# Altium PCB Shuttler_AMC.PcbDoc (part 1 of 12) (continued)
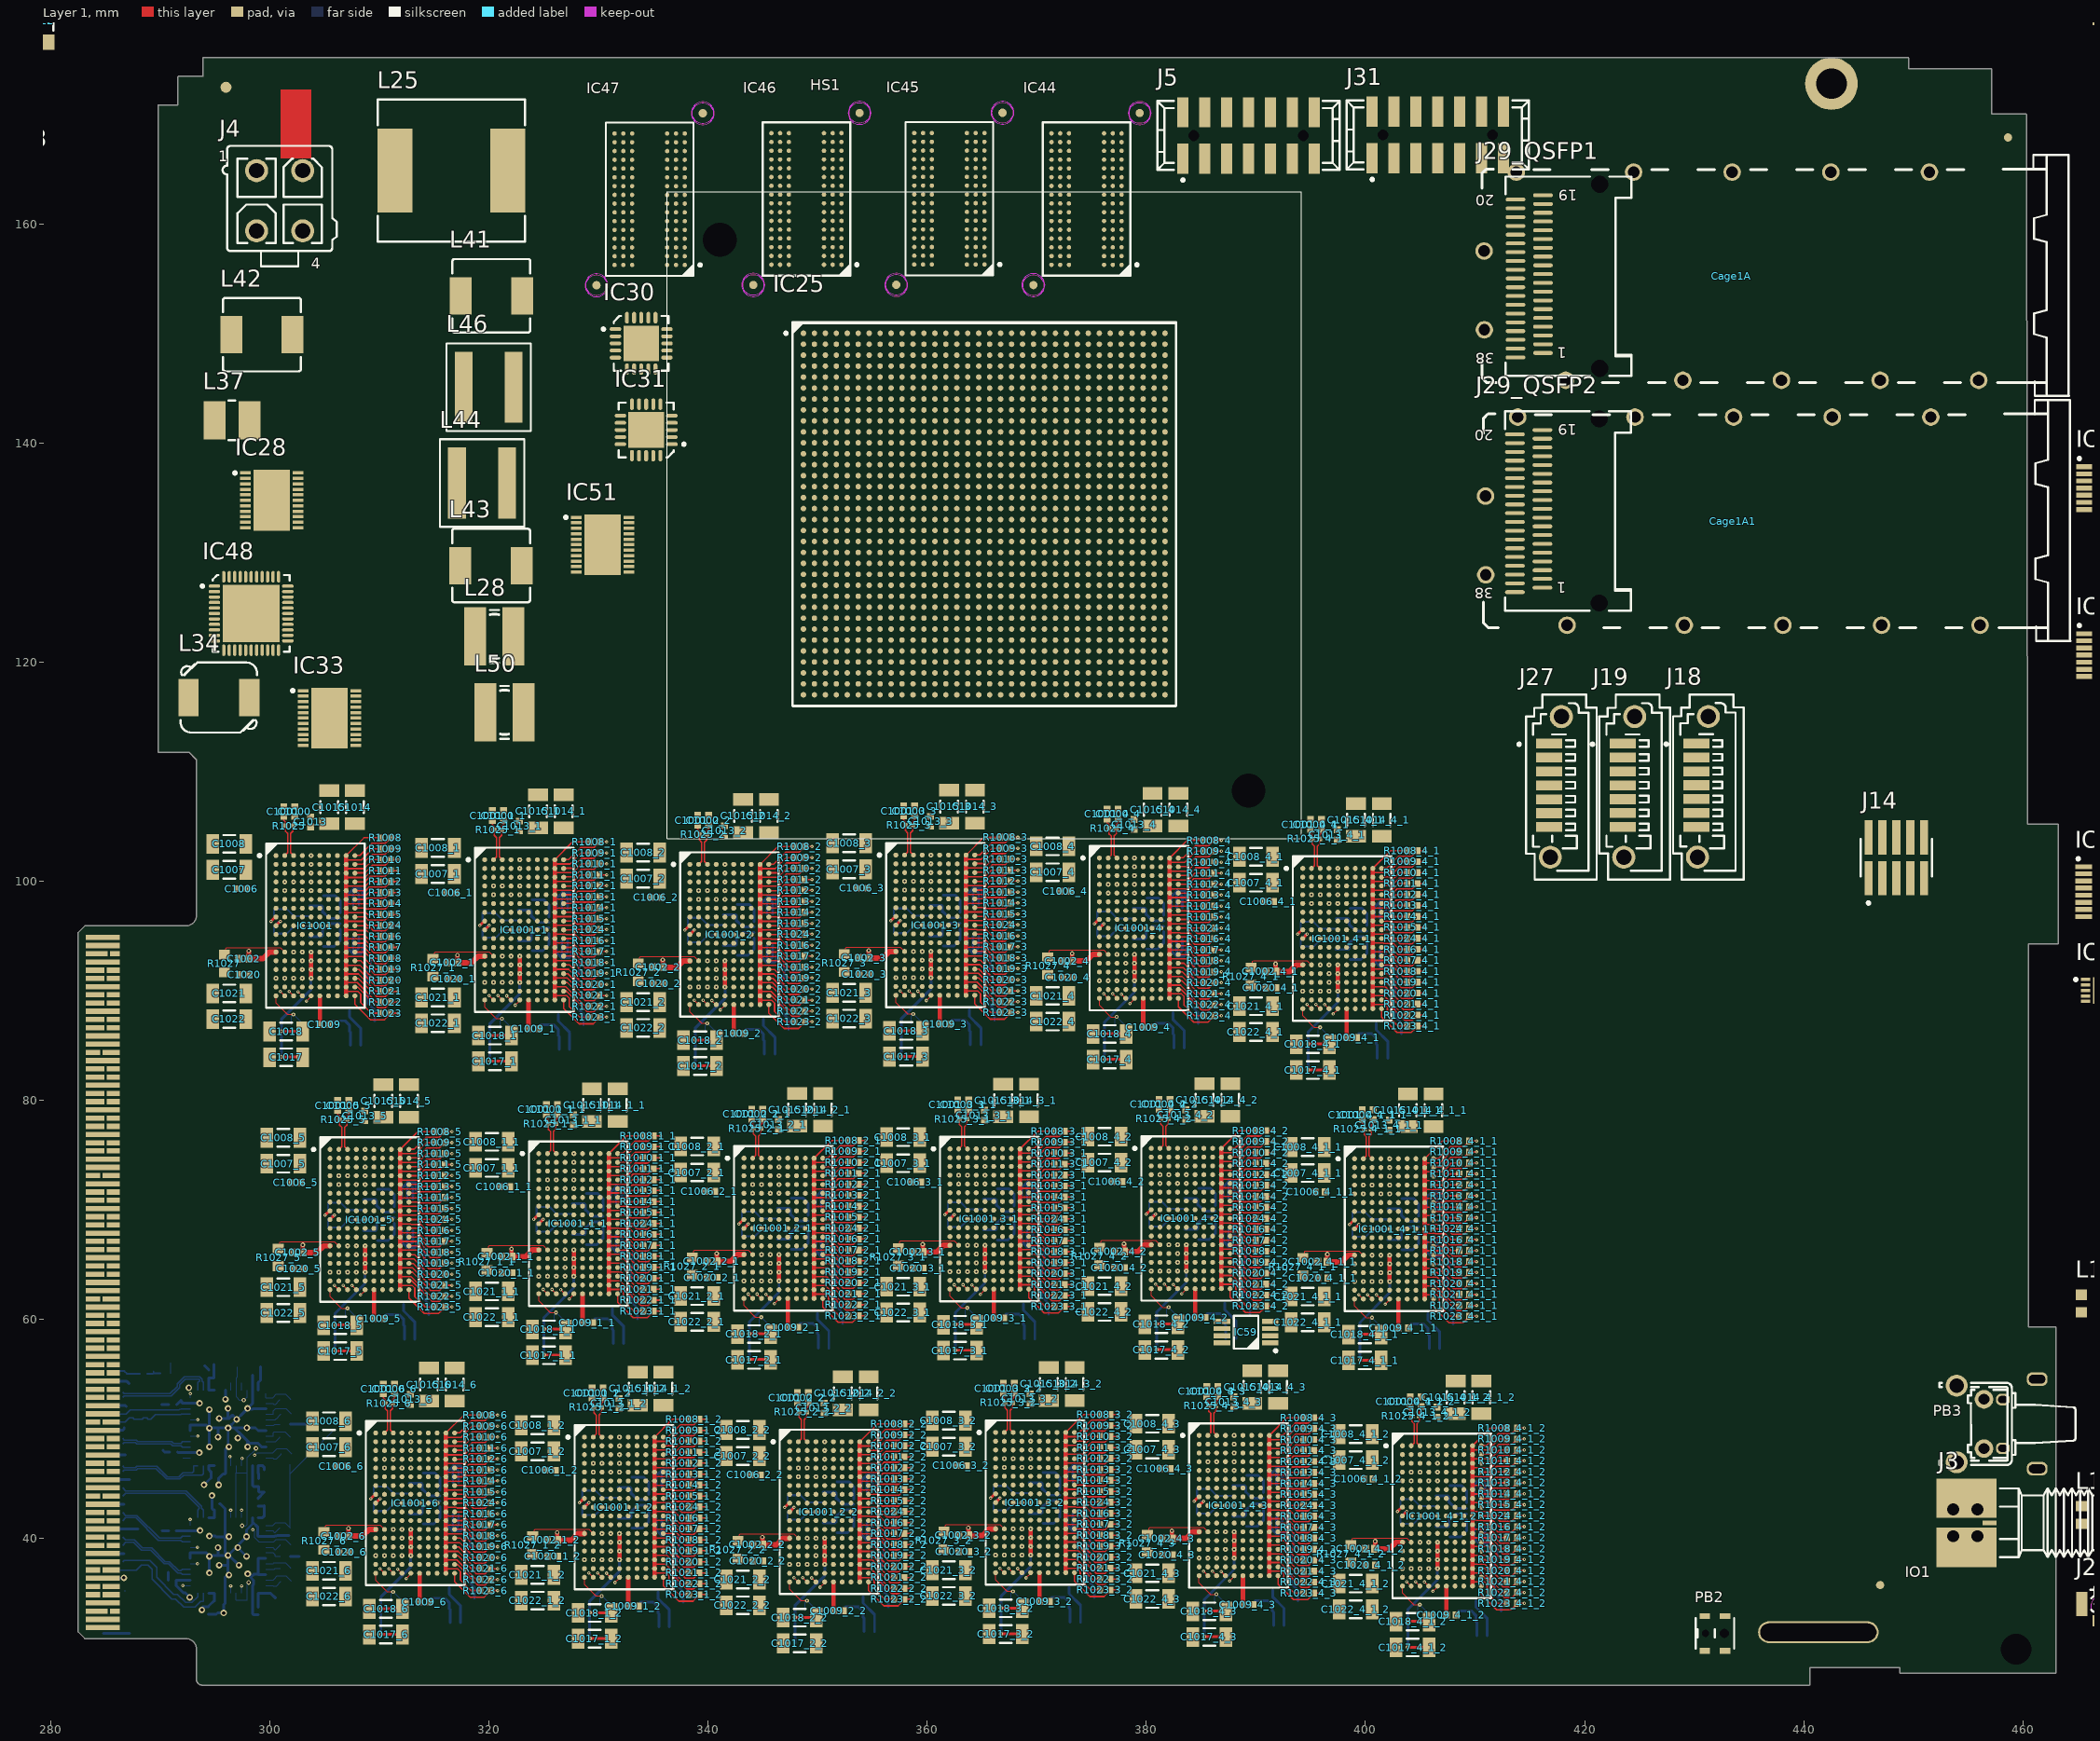
[diagram p0: Layer 1 view]
## Classes and differential pairs (continued)
net class SDRAM_DDR3_x64.DDR3_64_DM[0..7]: SDRAM_DDR3_x64.DDR3_64_DM0 SDRAM_DDR3_x64.DDR3_64_DM1 SDRAM_DDR3_x64.DDR3_64_DM2 SDRAM_DDR3_x64.DDR3_64_DM3 SDRAM_DDR3_x64.DDR3_64_DM4 SDRAM_DDR3_x64.DDR3_64_DM5 SDRAM_DDR3_x64.DDR3_64_DM6 SDRAM_DDR3_x64.DDR3_64_DM7
net class SDRAM_DDR3_x64.DDR3_64_BA[0..2]: SDRAM_DDR3_x64.DDR3_64_BA0 SDRAM_DDR3_x64.DDR3_64_BA1 SDRAM_DDR3_x64.DDR3_64_BA2
net class SDRAM_DDR3_x64.DDR3_64_A[0..14]: SDRAM_DDR3_x64.DDR3_64_A0 SDRAM_DDR3_x64.DDR3_64_A1 SDRAM_DDR3_x64.DDR3_64_A2 SDRAM_DDR3_x64.DDR3_64_A3 SDRAM_DDR3_x64.DDR3_64_A4 SDRAM_DDR3_x64.DDR3_64_A5 SDRAM_DDR3_x64.DDR3_64_A6 SDRAM_DDR3_x64.DDR3_64_A7 SDRAM_DDR3_x64.DDR3_64_A8 SDRAM_DDR3_x64.DDR3_64_A9 SDRAM_DDR3_x64.DDR3_64_A10 SDRAM_DDR3_x64.DDR3_64_A11 SDRAM_DDR3_x64.DDR3_64_A12 SDRAM_DDR3_x64.DDR3_64_A13 SDRAM_DDR3_x64.DDR3_64_A14
net class I2C_MUX_ADDR[2..1]: I2C_MUX_ADDR1 I2C_MUX_ADDR2
net class ETH2_RGMII.RGMII2_TXD[0..3]: ETH2_RGMII.RGMII2_TXD0 ETH2_RGMII.RGMII2_TXD1 ETH2_RGMII.RGMII2_TXD2 ETH2_RGMII.RGMII2_TXD3
net class ETH2_RGMII.RGMII2_RXD[0..3]: ETH2_RGMII.RGMII2_RXD0 ETH2_RGMII.RGMII2_RXD1 ETH2_RGMII.RGMII2_RXD2 ETH2_RGMII.RGMII2_RXD3
net class DAC_DATA_IN.DAC_DATA_CLK_[0..17]: DAC_DATA_IN.DAC_DATA_CLK_0 DAC_DATA_IN.DAC_DATA_CLK_1 DAC_DATA_IN.DAC_DATA_CLK_2 DAC_DATA_IN.DAC_DATA_CLK_3 DAC_DATA_IN.DAC_DATA_CLK_4 DAC_DATA_IN.DAC_DATA_CLK_5 DAC_DATA_IN.DAC_DATA_CLK_6 DAC_DATA_IN.DAC_DATA_CLK_7 DAC_DATA_IN.DAC_DATA_CLK_8 DAC_DATA_IN.DAC_DATA_CLK_9 DAC_DATA_IN.DAC_DATA_CLK_10 DAC_DATA_IN.DAC_DATA_CLK_11 DAC_DATA_IN.DAC_DATA_CLK_12 DAC_DATA_IN.DAC_DATA_CLK_13 DAC_DATA_IN.DAC_DATA_CLK_14 DAC_DATA_IN.DAC_DATA_CLK_15 DAC_DATA_IN.DAC_DATA_CLK_16 DAC_DATA_IN.DAC_DATA_CLK_17
net class DAC_DATA_IN.DAC_17_[0..15]: DAC_DATA_IN.DAC_17_0 DAC_DATA_IN.DAC_17_1 DAC_DATA_IN.DAC_17_2 DAC_DATA_IN.DAC_17_3 DAC_DATA_IN.DAC_17_4 DAC_DATA_IN.DAC_17_5 DAC_DATA_IN.DAC_17_6 DAC_DATA_IN.DAC_17_7 DAC_DATA_IN.DAC_17_8 DAC_DATA_IN.DAC_17_9 DAC_DATA_IN.DAC_17_10 DAC_DATA_IN.DAC_17_11 DAC_DATA_IN.DAC_17_12 DAC_DATA_IN.DAC_17_13 DAC_DATA_IN.DAC_17_14 DAC_DATA_IN.DAC_17_15
net class DAC_DATA_IN.DAC_16_[0..15]: DAC_DATA_IN.DAC_16_0 DAC_DATA_IN.DAC_16_1 DAC_DATA_IN.DAC_16_2 DAC_DATA_IN.DAC_16_3 DAC_DATA_IN.DAC_16_4 DAC_DATA_IN.DAC_16_5 DAC_DATA_IN.DAC_16_6 DAC_DATA_IN.DAC_16_7 DAC_DATA_IN.DAC_16_8 DAC_DATA_IN.DAC_16_9 DAC_DATA_IN.DAC_16_10 DAC_DATA_IN.DAC_16_11 DAC_DATA_IN.DAC_16_12 DAC_DATA_IN.DAC_16_13 DAC_DATA_IN.DAC_16_14 DAC_DATA_IN.DAC_16_15
net class DAC_DATA_IN.DAC_15_[0..15]: DAC_DATA_IN.DAC_15_0 DAC_DATA_IN.DAC_15_1 DAC_DATA_IN.DAC_15_2 DAC_DATA_IN.DAC_15_3 DAC_DATA_IN.DAC_15_4 DAC_DATA_IN.DAC_15_5 DAC_DATA_IN.DAC_15_6 DAC_DATA_IN.DAC_15_7 DAC_DATA_IN.DAC_15_8 DAC_DATA_IN.DAC_15_9 DAC_DATA_IN.DAC_15_10 DAC_DATA_IN.DAC_15_11 DAC_DATA_IN.DAC_15_12 DAC_DATA_IN.DAC_15_13 DAC_DATA_IN.DAC_15_14 DAC_DATA_IN.DAC_15_15
net class DAC_DATA_IN.DAC_14_[0..15]: DAC_DATA_IN.DAC_14_0 DAC_DATA_IN.DAC_14_1 DAC_DATA_IN.DAC_14_2 DAC_DATA_IN.DAC_14_3 DAC_DATA_IN.DAC_14_4 DAC_DATA_IN.DAC_14_5 DAC_DATA_IN.DAC_14_6 DAC_DATA_IN.DAC_14_7 DAC_DATA_IN.DAC_14_8 DAC_DATA_IN.DAC_14_9 DAC_DATA_IN.DAC_14_10 DAC_DATA_IN.DAC_14_11 DAC_DATA_IN.DAC_14_12 DAC_DATA_IN.DAC_14_13 DAC_DATA_IN.DAC_14_14 DAC_DATA_IN.DAC_14_15
net class DAC_DATA_IN.DAC_13_[0..15]: DAC_DATA_IN.DAC_13_0 DAC_DATA_IN.DAC_13_1 DAC_DATA_IN.DAC_13_2 DAC_DATA_IN.DAC_13_3 DAC_DATA_IN.DAC_13_4 DAC_DATA_IN.DAC_13_5 DAC_DATA_IN.DAC_13_6 DAC_DATA_IN.DAC_13_7 DAC_DATA_IN.DAC_13_8 DAC_DATA_IN.DAC_13_9 DAC_DATA_IN.DAC_13_10 DAC_DATA_IN.DAC_13_11 DAC_DATA_IN.DAC_13_12 DAC_DATA_IN.DAC_13_13 DAC_DATA_IN.DAC_13_14 DAC_DATA_IN.DAC_13_15
net class DAC_DATA_IN.DAC_12_[0..15]: DAC_DATA_IN.DAC_12_0 DAC_DATA_IN.DAC_12_1 DAC_DATA_IN.DAC_12_2 DAC_DATA_IN.DAC_12_3 DAC_DATA_IN.DAC_12_4 DAC_DATA_IN.DAC_12_5 DAC_DATA_IN.DAC_12_6 DAC_DATA_IN.DAC_12_7 DAC_DATA_IN.DAC_12_8 DAC_DATA_IN.DAC_12_9 DAC_DATA_IN.DAC_12_10 DAC_DATA_IN.DAC_12_11 DAC_DATA_IN.DAC_12_12 DAC_DATA_IN.DAC_12_13 DAC_DATA_IN.DAC_12_14 DAC_DATA_IN.DAC_12_15
net class DAC_DATA_IN.DAC_11_[0..15]: DAC_DATA_IN.DAC_11_0 DAC_DATA_IN.DAC_11_1 DAC_DATA_IN.DAC_11_2 DAC_DATA_IN.DAC_11_3 DAC_DATA_IN.DAC_11_4 DAC_DATA_IN.DAC_11_5 DAC_DATA_IN.DAC_11_6 DAC_DATA_IN.DAC_11_7 DAC_DATA_IN.DAC_11_8 DAC_DATA_IN.DAC_11_9 DAC_DATA_IN.DAC_11_10 DAC_DATA_IN.DAC_11_11 DAC_DATA_IN.DAC_11_12 DAC_DATA_IN.DAC_11_13 DAC_DATA_IN.DAC_11_14 DAC_DATA_IN.DAC_11_15
net class DAC_DATA_IN.DAC_10_[0..15]: DAC_DATA_IN.DAC_10_0 DAC_DATA_IN.DAC_10_1 DAC_DATA_IN.DAC_10_2 DAC_DATA_IN.DAC_10_3 DAC_DATA_IN.DAC_10_4 DAC_DATA_IN.DAC_10_5 DAC_DATA_IN.DAC_10_6 DAC_DATA_IN.DAC_10_7 DAC_DATA_IN.DAC_10_8 DAC_DATA_IN.DAC_10_9 DAC_DATA_IN.DAC_10_10 DAC_DATA_IN.DAC_10_11 DAC_DATA_IN.DAC_10_12 DAC_DATA_IN.DAC_10_13 DAC_DATA_IN.DAC_10_14 DAC_DATA_IN.DAC_10_15
net class DAC_DATA_IN.DAC_9_[0..15]: DAC_DATA_IN.DAC_9_0 DAC_DATA_IN.DAC_9_1 DAC_DATA_IN.DAC_9_2 DAC_DATA_IN.DAC_9_3 DAC_DATA_IN.DAC_9_4 DAC_DATA_IN.DAC_9_5 DAC_DATA_IN.DAC_9_6 DAC_DATA_IN.DAC_9_7 DAC_DATA_IN.DAC_9_8 DAC_DATA_IN.DAC_9_9 DAC_DATA_IN.DAC_9_10 DAC_DATA_IN.DAC_9_11 DAC_DATA_IN.DAC_9_12 DAC_DATA_IN.DAC_9_13 DAC_DATA_IN.DAC_9_14 DAC_DATA_IN.DAC_9_15
net class DAC_DATA_IN.DAC_8_[0..15]: DAC_DATA_IN.DAC_8_0 DAC_DATA_IN.DAC_8_1 DAC_DATA_IN.DAC_8_2 DAC_DATA_IN.DAC_8_3 DAC_DATA_IN.DAC_8_4 DAC_DATA_IN.DAC_8_5 DAC_DATA_IN.DAC_8_6 DAC_DATA_IN.DAC_8_7 DAC_DATA_IN.DAC_8_8 DAC_DATA_IN.DAC_8_9 DAC_DATA_IN.DAC_8_10 DAC_DATA_IN.DAC_8_11 DAC_DATA_IN.DAC_8_12 DAC_DATA_IN.DAC_8_13 DAC_DATA_IN.DAC_8_14 DAC_DATA_IN.DAC_8_15
net class DAC_DATA_IN.DAC_7_[0..15]: DAC_DATA_IN.DAC_7_0 DAC_DATA_IN.DAC_7_1 DAC_DATA_IN.DAC_7_2 DAC_DATA_IN.DAC_7_3 DAC_DATA_IN.DAC_7_4 DAC_DATA_IN.DAC_7_5 DAC_DATA_IN.DAC_7_6 DAC_DATA_IN.DAC_7_7 DAC_DATA_IN.DAC_7_8 DAC_DATA_IN.DAC_7_9 DAC_DATA_IN.DAC_7_10 DAC_DATA_IN.DAC_7_11 DAC_DATA_IN.DAC_7_12 DAC_DATA_IN.DAC_7_13 DAC_DATA_IN.DAC_7_14 DAC_DATA_IN.DAC_7_15
net class DAC_DATA_IN.DAC_6_[0..15]: DAC_DATA_IN.DAC_6_0 DAC_DATA_IN.DAC_6_1 DAC_DATA_IN.DAC_6_2 DAC_DATA_IN.DAC_6_3 DAC_DATA_IN.DAC_6_4 DAC_DATA_IN.DAC_6_5 DAC_DATA_IN.DAC_6_6 DAC_DATA_IN.DAC_6_7 DAC_DATA_IN.DAC_6_8 DAC_DATA_IN.DAC_6_9 DAC_DATA_IN.DAC_6_10 DAC_DATA_IN.DAC_6_11 DAC_DATA_IN.DAC_6_12 DAC_DATA_IN.DAC_6_13 DAC_DATA_IN.DAC_6_14 DAC_DATA_IN.DAC_6_15
net class DAC_DATA_IN.DAC_5_[0..15]: DAC_DATA_IN.DAC_5_0 DAC_DATA_IN.DAC_5_1 DAC_DATA_IN.DAC_5_2 DAC_DATA_IN.DAC_5_3 DAC_DATA_IN.DAC_5_4 DAC_DATA_IN.DAC_5_5 DAC_DATA_IN.DAC_5_6 DAC_DATA_IN.DAC_5_7 DAC_DATA_IN.DAC_5_8 DAC_DATA_IN.DAC_5_9 DAC_DATA_IN.DAC_5_10 DAC_DATA_IN.DAC_5_11 DAC_DATA_IN.DAC_5_12 DAC_DATA_IN.DAC_5_13 DAC_DATA_IN.DAC_5_14 DAC_DATA_IN.DAC_5_15
net class DAC_DATA_IN.DAC_4_[0..15]: DAC_DATA_IN.DAC_4_0 DAC_DATA_IN.DAC_4_1 DAC_DATA_IN.DAC_4_2 DAC_DATA_IN.DAC_4_3 DAC_DATA_IN.DAC_4_4 DAC_DATA_IN.DAC_4_5 DAC_DATA_IN.DAC_4_6 DAC_DATA_IN.DAC_4_7 DAC_DATA_IN.DAC_4_8 DAC_DATA_IN.DAC_4_9 DAC_DATA_IN.DAC_4_10 DAC_DATA_IN.DAC_4_11 DAC_DATA_IN.DAC_4_12 DAC_DATA_IN.DAC_4_13 DAC_DATA_IN.DAC_4_14 DAC_DATA_IN.DAC_4_15
net class DAC_DATA_IN.DAC_3_[0..15]: DAC_DATA_IN.DAC_3_0 DAC_DATA_IN.DAC_3_1 DAC_DATA_IN.DAC_3_2 DAC_DATA_IN.DAC_3_3 DAC_DATA_IN.DAC_3_4 DAC_DATA_IN.DAC_3_5 DAC_DATA_IN.DAC_3_6 DAC_DATA_IN.DAC_3_7 DAC_DATA_IN.DAC_3_8 DAC_DATA_IN.DAC_3_9 DAC_DATA_IN.DAC_3_10 DAC_DATA_IN.DAC_3_11 DAC_DATA_IN.DAC_3_12 DAC_DATA_IN.DAC_3_13 DAC_DATA_IN.DAC_3_14 DAC_DATA_IN.DAC_3_15
net class DAC_DATA_IN.DAC_2_[0..15]: DAC_DATA_IN.DAC_2_0 DAC_DATA_IN.DAC_2_1 DAC_DATA_IN.DAC_2_2 DAC_DATA_IN.DAC_2_3 DAC_DATA_IN.DAC_2_4 DAC_DATA_IN.DAC_2_5 DAC_DATA_IN.DAC_2_6 DAC_DATA_IN.DAC_2_7 DAC_DATA_IN.DAC_2_8 DAC_DATA_IN.DAC_2_9 DAC_DATA_IN.DAC_2_10 DAC_DATA_IN.DAC_2_11 DAC_DATA_IN.DAC_2_12 DAC_DATA_IN.DAC_2_13 DAC_DATA_IN.DAC_2_14 DAC_DATA_IN.DAC_2_15
net class DAC_DATA_IN.DAC_1_[0..15]: DAC_DATA_IN.DAC_1_0 DAC_DATA_IN.DAC_1_1 DAC_DATA_IN.DAC_1_2 DAC_DATA_IN.DAC_1_3 DAC_DATA_IN.DAC_1_4 DAC_DATA_IN.DAC_1_5 DAC_DATA_IN.DAC_1_6 DAC_DATA_IN.DAC_1_7 DAC_DATA_IN.DAC_1_8 DAC_DATA_IN.DAC_1_9 DAC_DATA_IN.DAC_1_10 DAC_DATA_IN.DAC_1_11 DAC_DATA_IN.DAC_1_12 DAC_DATA_IN.DAC_1_13 DAC_DATA_IN.DAC_1_14 DAC_DATA_IN.DAC_1_15
net class DAC_DATA_IN.DAC_0_[0..15]: DAC_DATA_IN.DAC_0_0 DAC_DATA_IN.DAC_0_1 DAC_DATA_IN.DAC_0_2 DAC_DATA_IN.DAC_0_3 DAC_DATA_IN.DAC_0_4 DAC_DATA_IN.DAC_0_5 DAC_DATA_IN.DAC_0_6 DAC_DATA_IN.DAC_0_7 DAC_DATA_IN.DAC_0_8 DAC_DATA_IN.DAC_0_9 DAC_DATA_IN.DAC_0_10 DAC_DATA_IN.DAC_0_11 DAC_DATA_IN.DAC_0_12 DAC_DATA_IN.DAC_0_13 DAC_DATA_IN.DAC_0_14 DAC_DATA_IN.DAC_0_15
net class BOOT_MODE[3..0]: BOOT_MODE0 BOOT_MODE1 BOOT_MODE2 BOOT_MODE3
net class AOUT_P[0..17]: AOUT_P0 AOUT_P1 AOUT_P2 AOUT_P3 AOUT_P4 AOUT_P5 AOUT_P6 AOUT_P7 AOUT_P8 AOUT_P9 AOUT_P10 AOUT_P11 AOUT_P12 AOUT_P13 AOUT_P14 AOUT_P15 AOUT_P16 AOUT_P17
net class AOUT_N[0..17]: AOUT_N0 AOUT_N1 AOUT_N2 AOUT_N3 AOUT_N4 AOUT_N5 AOUT_N6 AOUT_N7 AOUT_N8 AOUT_N9 AOUT_N10 AOUT_N11 AOUT_N12 AOUT_N13 AOUT_N14 AOUT_N15 AOUT_N16 AOUT_N17
component class USB_SERIAL_QUAD: C1 C2 C3 C4 C5 C6 C7 C8 C9 C10 C11 C12 C127 C278 C279 C280 C281 C283 C286 C287 C288 C297 C298 C299 C300 C305 D1 D3 IC1 IC2 IC15 IC49 IC50 J1 L1 L2 L3 L26 Q1 R3 R4 R5 R6 R7 R8 R9 R46 R103 R104 R277 R323 R324 R325 R326 R329 R330 R331 R332 R499 R509 R510 R531 R532 T23 T24 T28
component class U_DAC_LTC200018: C26_U_DAC_LTC200018 C28_U_DAC_LTC200018 C29_U_DAC_LTC200018 C30_U_DAC_LTC200018 C31_U_DAC_LTC200018 C32_U_DAC_LTC200018 C33_U_DAC_LTC200018 C34_U_DAC_LTC200018 C35_U_DAC_LTC200018 C36_U_DAC_LTC200018 C37_U_DAC_LTC200018 C38_U_DAC_LTC200018 C39_U_DAC_LTC200018 C40_U_DAC_LTC200018 C41_U_DAC_LTC200018 C42_U_DAC_LTC200018 C43_U_DAC_LTC200018 C44_U_DAC_LTC200018 C45_U_DAC_LTC200018 C46_U_DAC_LTC200018 C47_U_DAC_LTC200018 C48_U_DAC_LTC200018 R4_U_DAC_LTC200018 R5_U_DAC_LTC200018 R6_U_DAC_LTC200018 R7_U_DAC_LTC200018 R8_U_DAC_LTC200018 R9_U_DAC_LTC200018 R11_U_DAC_LTC200018 R12_U_DAC_LTC200018 R13_U_DAC_LTC200018 R14_U_DAC_LTC200018 R15_U_DAC_LTC200018 R16_U_DAC_LTC200018 R17_U_DAC_LTC200018 R18_U_DAC_LTC200018 R19_U_DAC_LTC200018 R20_U_DAC_LTC200018 R23_U_DAC_LTC200018 R143_U_DAC_LTC200018 R144_U_DAC_LTC200018 R145_U_DAC_LTC200018
component class U_DAC_LTC200017: C26_U_DAC_LTC200017 C28_U_DAC_LTC200017 C29_U_DAC_LTC200017 C30_U_DAC_LTC200017 C31_U_DAC_LTC200017 C32_U_DAC_LTC200017 C33_U_DAC_LTC200017 C34_U_DAC_LTC200017 C35_U_DAC_LTC200017 C36_U_DAC_LTC200017 C37_U_DAC_LTC200017 C38_U_DAC_LTC200017 C39_U_DAC_LTC200017 C40_U_DAC_LTC200017 C41_U_DAC_LTC200017 C42_U_DAC_LTC200017 C43_U_DAC_LTC200017 C44_U_DAC_LTC200017 C45_U_DAC_LTC200017 C46_U_DAC_LTC200017 C47_U_DAC_LTC200017 C48_U_DAC_LTC200017 R4_U_DAC_LTC200017 R5_U_DAC_LTC200017 R6_U_DAC_LTC200017 R7_U_DAC_LTC200017 R8_U_DAC_LTC200017 R9_U_DAC_LTC200017 R11_U_DAC_LTC200017 R12_U_DAC_LTC200017 R13_U_DAC_LTC200017 R14_U_DAC_LTC200017 R15_U_DAC_LTC200017 R16_U_DAC_LTC200017 R17_U_DAC_LTC200017 R18_U_DAC_LTC200017 R19_U_DAC_LTC200017 R20_U_DAC_LTC200017 R23_U_DAC_LTC200017 R143_U_DAC_LTC200017 R144_U_DAC_LTC200017 R145_U_DAC_LTC200017
component class U_DAC_LTC200016: C26_U_DAC_LTC200016 C28_U_DAC_LTC200016 C29_U_DAC_LTC200016 C30_U_DAC_LTC200016 C31_U_DAC_LTC200016 C32_U_DAC_LTC200016 C33_U_DAC_LTC200016 C34_U_DAC_LTC200016 C35_U_DAC_LTC200016 C36_U_DAC_LTC200016 C37_U_DAC_LTC200016 C38_U_DAC_LTC200016 C39_U_DAC_LTC200016 C40_U_DAC_LTC200016 C41_U_DAC_LTC200016 C42_U_DAC_LTC200016 C43_U_DAC_LTC200016 C44_U_DAC_LTC200016 C45_U_DAC_LTC200016 C46_U_DAC_LTC200016 C47_U_DAC_LTC200016 C48_U_DAC_LTC200016 R4_U_DAC_LTC200016 R5_U_DAC_LTC200016 R6_U_DAC_LTC200016 R7_U_DAC_LTC200016 R8_U_DAC_LTC200016 R9_U_DAC_LTC200016 R11_U_DAC_LTC200016 R12_U_DAC_LTC200016 R13_U_DAC_LTC200016 R14_U_DAC_LTC200016 R15_U_DAC_LTC200016 R16_U_DAC_LTC200016 R17_U_DAC_LTC200016 R18_U_DAC_LTC200016 R19_U_DAC_LTC200016 R20_U_DAC_LTC200016 R23_U_DAC_LTC200016 R143_U_DAC_LTC200016 R144_U_DAC_LTC200016 R145_U_DAC_LTC200016
component class U_DAC_LTC200015: C26_U_DAC_LTC200015 C28_U_DAC_LTC200015 C29_U_DAC_LTC200015 C30_U_DAC_LTC200015 C31_U_DAC_LTC200015 C32_U_DAC_LTC200015 C33_U_DAC_LTC200015 C34_U_DAC_LTC200015 C35_U_DAC_LTC200015 C36_U_DAC_LTC200015 C37_U_DAC_LTC200015 C38_U_DAC_LTC200015 C39_U_DAC_LTC200015 C40_U_DAC_LTC200015 C41_U_DAC_LTC200015 C42_U_DAC_LTC200015 C43_U_DAC_LTC200015 C44_U_DAC_LTC200015 C45_U_DAC_LTC200015 C46_U_DAC_LTC200015 C47_U_DAC_LTC200015 C48_U_DAC_LTC200015 R4_U_DAC_LTC200015 R5_U_DAC_LTC200015 R6_U_DAC_LTC200015 R7_U_DAC_LTC200015 R8_U_DAC_LTC200015 R9_U_DAC_LTC200015 R11_U_DAC_LTC200015 R12_U_DAC_LTC200015 R13_U_DAC_LTC200015 R14_U_DAC_LTC200015 R15_U_DAC_LTC200015 R16_U_DAC_LTC200015 R17_U_DAC_LTC200015 R18_U_DAC_LTC200015 R19_U_DAC_LTC200015 R20_U_DAC_LTC200015 R23_U_DAC_LTC200015 R143_U_DAC_LTC200015 R144_U_DAC_LTC200015 R145_U_DAC_LTC200015
component class U_DAC_LTC200014: C26_U_DAC_LTC200014 C28_U_DAC_LTC200014 C29_U_DAC_LTC200014 C30_U_DAC_LTC200014 C31_U_DAC_LTC200014 C32_U_DAC_LTC200014 C33_U_DAC_LTC200014 C34_U_DAC_LTC200014 C35_U_DAC_LTC200014 C36_U_DAC_LTC200014 C37_U_DAC_LTC200014 C38_U_DAC_LTC200014 C39_U_DAC_LTC200014 C40_U_DAC_LTC200014 C41_U_DAC_LTC200014 C42_U_DAC_LTC200014 C43_U_DAC_LTC200014 C44_U_DAC_LTC200014 C45_U_DAC_LTC200014 C46_U_DAC_LTC200014 C47_U_DAC_LTC200014 C48_U_DAC_LTC200014 R4_U_DAC_LTC200014 R5_U_DAC_LTC200014 R6_U_DAC_LTC200014 R7_U_DAC_LTC200014 R8_U_DAC_LTC200014 R9_U_DAC_LTC200014 R11_U_DAC_LTC200014 R12_U_DAC_LTC200014 R13_U_DAC_LTC200014 R14_U_DAC_LTC200014 R15_U_DAC_LTC200014 R16_U_DAC_LTC200014 R17_U_DAC_LTC200014 R18_U_DAC_LTC200014 R19_U_DAC_LTC200014 R20_U_DAC_LTC200014 R23_U_DAC_LTC200014 R143_U_DAC_LTC200014 R144_U_DAC_LTC200014 R145_U_DAC_LTC200014
component class U_DAC_LTC200013: C26_U_DAC_LTC200013 C28_U_DAC_LTC200013 C29_U_DAC_LTC200013 C30_U_DAC_LTC200013 C31_U_DAC_LTC200013 C32_U_DAC_LTC200013 C33_U_DAC_LTC200013 C34_U_DAC_LTC200013 C35_U_DAC_LTC200013 C36_U_DAC_LTC200013 C37_U_DAC_LTC200013 C38_U_DAC_LTC200013 C39_U_DAC_LTC200013 C40_U_DAC_LTC200013 C41_U_DAC_LTC200013 C42_U_DAC_LTC200013 C43_U_DAC_LTC200013 C44_U_DAC_LTC200013 C45_U_DAC_LTC200013 C46_U_DAC_LTC200013 C47_U_DAC_LTC200013 C48_U_DAC_LTC200013 R4_U_DAC_LTC200013 R5_U_DAC_LTC200013 R6_U_DAC_LTC200013 R7_U_DAC_LTC200013 R8_U_DAC_LTC200013 R9_U_DAC_LTC200013 R11_U_DAC_LTC200013 R12_U_DAC_LTC200013 R13_U_DAC_LTC200013 R14_U_DAC_LTC200013 R15_U_DAC_LTC200013 R16_U_DAC_LTC200013 R17_U_DAC_LTC200013 R18_U_DAC_LTC200013 R19_U_DAC_LTC200013 R20_U_DAC_LTC200013 R23_U_DAC_LTC200013 R143_U_DAC_LTC200013 R144_U_DAC_LTC200013 R145_U_DAC_LTC200013
component class U_DAC_LTC200012: C26_U_DAC_LTC200012 C28_U_DAC_LTC200012 C29_U_DAC_LTC200012 C30_U_DAC_LTC200012 C31_U_DAC_LTC200012 C32_U_DAC_LTC200012 C33_U_DAC_LTC200012 C34_U_DAC_LTC200012 C35_U_DAC_LTC200012 C36_U_DAC_LTC200012 C37_U_DAC_LTC200012 C38_U_DAC_LTC200012 C39_U_DAC_LTC200012 C40_U_DAC_LTC200012 C41_U_DAC_LTC200012 C42_U_DAC_LTC200012 C43_U_DAC_LTC200012 C44_U_DAC_LTC200012 C45_U_DAC_LTC200012 C46_U_DAC_LTC200012 C47_U_DAC_LTC200012 C48_U_DAC_LTC200012 R4_U_DAC_LTC200012 R5_U_DAC_LTC200012 R6_U_DAC_LTC200012 R7_U_DAC_LTC200012 R8_U_DAC_LTC200012 R9_U_DAC_LTC200012 R11_U_DAC_LTC200012 R12_U_DAC_LTC200012 R13_U_DAC_LTC200012 R14_U_DAC_LTC200012 R15_U_DAC_LTC200012 R16_U_DAC_LTC200012 R17_U_DAC_LTC200012 R18_U_DAC_LTC200012 R19_U_DAC_LTC200012 R20_U_DAC_LTC200012 R23_U_DAC_LTC200012 R143_U_DAC_LTC200012 R144_U_DAC_LTC200012 R145_U_DAC_LTC200012
component class U_DAC_LTC200011: C26_U_DAC_LTC200011 C28_U_DAC_LTC200011 C29_U_DAC_LTC200011 C30_U_DAC_LTC200011 C31_U_DAC_LTC200011 C32_U_DAC_LTC200011 C33_U_DAC_LTC200011 C34_U_DAC_LTC200011 C35_U_DAC_LTC200011 C36_U_DAC_LTC200011 C37_U_DAC_LTC200011 C38_U_DAC_LTC200011 C39_U_DAC_LTC200011 C40_U_DAC_LTC200011 C41_U_DAC_LTC200011 C42_U_DAC_LTC200011 C43_U_DAC_LTC200011 C44_U_DAC_LTC200011 C45_U_DAC_LTC200011 C46_U_DAC_LTC200011 C47_U_DAC_LTC200011 C48_U_DAC_LTC200011 R4_U_DAC_LTC200011 R5_U_DAC_LTC200011 R6_U_DAC_LTC200011 R7_U_DAC_LTC200011 R8_U_DAC_LTC200011 R9_U_DAC_LTC200011 R11_U_DAC_LTC200011 R12_U_DAC_LTC200011 R13_U_DAC_LTC200011 R14_U_DAC_LTC200011 R15_U_DAC_LTC200011 R16_U_DAC_LTC200011 R17_U_DAC_LTC200011 R18_U_DAC_LTC200011 R19_U_DAC_LTC200011 R20_U_DAC_LTC200011 R23_U_DAC_LTC200011 R143_U_DAC_LTC200011 R144_U_DAC_LTC200011 R145_U_DAC_LTC200011
component class U_DAC_LTC200010: C26_U_DAC_LTC200010 C28_U_DAC_LTC200010 C29_U_DAC_LTC200010 C30_U_DAC_LTC200010 C31_U_DAC_LTC200010 C32_U_DAC_LTC200010 C33_U_DAC_LTC200010 C34_U_DAC_LTC200010 C35_U_DAC_LTC200010 C36_U_DAC_LTC200010 C37_U_DAC_LTC200010 C38_U_DAC_LTC200010 C39_U_DAC_LTC200010 C40_U_DAC_LTC200010 C41_U_DAC_LTC200010 C42_U_DAC_LTC200010 C43_U_DAC_LTC200010 C44_U_DAC_LTC200010 C45_U_DAC_LTC200010 C46_U_DAC_LTC200010 C47_U_DAC_LTC200010 C48_U_DAC_LTC200010 R4_U_DAC_LTC200010 R5_U_DAC_LTC200010 R6_U_DAC_LTC200010 R7_U_DAC_LTC200010 R8_U_DAC_LTC200010 R9_U_DAC_LTC200010 R11_U_DAC_LTC200010 R12_U_DAC_LTC200010 R13_U_DAC_LTC200010 R14_U_DAC_LTC200010 R15_U_DAC_LTC200010 R16_U_DAC_LTC200010 R17_U_DAC_LTC200010 R18_U_DAC_LTC200010 R19_U_DAC_LTC200010 R20_U_DAC_LTC200010 R23_U_DAC_LTC200010 R143_U_DAC_LTC200010 R144_U_DAC_LTC200010 R145_U_DAC_LTC200010
component class U_DAC_LTC20009: C26_U_DAC_LTC20009 C28_U_DAC_LTC20009 C29_U_DAC_LTC20009 C30_U_DAC_LTC20009 C31_U_DAC_LTC20009 C32_U_DAC_LTC20009 C33_U_DAC_LTC20009 C34_U_DAC_LTC20009 C35_U_DAC_LTC20009 C36_U_DAC_LTC20009 C37_U_DAC_LTC20009 C38_U_DAC_LTC20009 C39_U_DAC_LTC20009 C40_U_DAC_LTC20009 C41_U_DAC_LTC20009 C42_U_DAC_LTC20009 C43_U_DAC_LTC20009 C44_U_DAC_LTC20009 C45_U_DAC_LTC20009 C46_U_DAC_LTC20009 C47_U_DAC_LTC20009 C48_U_DAC_LTC20009 R4_U_DAC_LTC20009 R5_U_DAC_LTC20009 R6_U_DAC_LTC20009 R7_U_DAC_LTC20009 R8_U_DAC_LTC20009 R9_U_DAC_LTC20009 R11_U_DAC_LTC20009 R12_U_DAC_LTC20009 R13_U_DAC_LTC20009 R14_U_DAC_LTC20009 R15_U_DAC_LTC20009 R16_U_DAC_LTC20009 R17_U_DAC_LTC20009 R18_U_DAC_LTC20009 R19_U_DAC_LTC20009 R20_U_DAC_LTC20009 R23_U_DAC_LTC20009 R143_U_DAC_LTC20009 R144_U_DAC_LTC20009 R145_U_DAC_LTC20009
component class U_DAC_LTC20008: C26_U_DAC_LTC20008 C28_U_DAC_LTC20008 C29_U_DAC_LTC20008 C30_U_DAC_LTC20008 C31_U_DAC_LTC20008 C32_U_DAC_LTC20008 C33_U_DAC_LTC20008 C34_U_DAC_LTC20008 C35_U_DAC_LTC20008 C36_U_DAC_LTC20008 C37_U_DAC_LTC20008 C38_U_DAC_LTC20008 C39_U_DAC_LTC20008 C40_U_DAC_LTC20008 C41_U_DAC_LTC20008 C42_U_DAC_LTC20008 C43_U_DAC_LTC20008 C44_U_DAC_LTC20008 C45_U_DAC_LTC20008 C46_U_DAC_LTC20008 C47_U_DAC_LTC20008 C48_U_DAC_LTC20008 R4_U_DAC_LTC20008 R5_U_DAC_LTC20008 R6_U_DAC_LTC20008 R7_U_DAC_LTC20008 R8_U_DAC_LTC20008 R9_U_DAC_LTC20008 R11_U_DAC_LTC20008 R12_U_DAC_LTC20008 R13_U_DAC_LTC20008 R14_U_DAC_LTC20008 R15_U_DAC_LTC20008 R16_U_DAC_LTC20008 R17_U_DAC_LTC20008 R18_U_DAC_LTC20008 R19_U_DAC_LTC20008 R20_U_DAC_LTC20008 R23_U_DAC_LTC20008 R143_U_DAC_LTC20008 R144_U_DAC_LTC20008 R145_U_DAC_LTC20008
component class U_DAC_LTC20007: C26_U_DAC_LTC20007 C28_U_DAC_LTC20007 C29_U_DAC_LTC20007 C30_U_DAC_LTC20007 C31_U_DAC_LTC20007 C32_U_DAC_LTC20007 C33_U_DAC_LTC20007 C34_U_DAC_LTC20007 C35_U_DAC_LTC20007 C36_U_DAC_LTC20007 C37_U_DAC_LTC20007 C38_U_DAC_LTC20007 C39_U_DAC_LTC20007 C40_U_DAC_LTC20007 C41_U_DAC_LTC20007 C42_U_DAC_LTC20007 C43_U_DAC_LTC20007 C44_U_DAC_LTC20007 C45_U_DAC_LTC20007 C46_U_DAC_LTC20007 C47_U_DAC_LTC20007 C48_U_DAC_LTC20007 R4_U_DAC_LTC20007 R5_U_DAC_LTC20007 R6_U_DAC_LTC20007 R7_U_DAC_LTC20007 R8_U_DAC_LTC20007 R9_U_DAC_LTC20007 R11_U_DAC_LTC20007 R12_U_DAC_LTC20007 R13_U_DAC_LTC20007 R14_U_DAC_LTC20007 R15_U_DAC_LTC20007 R16_U_DAC_LTC20007 R17_U_DAC_LTC20007 R18_U_DAC_LTC20007 R19_U_DAC_LTC20007 R20_U_DAC_LTC20007 R23_U_DAC_LTC20007 R143_U_DAC_LTC20007 R144_U_DAC_LTC20007 R145_U_DAC_LTC20007
component class U_DAC_LTC20006: C26_U_DAC_LTC20006 C28_U_DAC_LTC20006 C29_U_DAC_LTC20006 C30_U_DAC_LTC20006 C31_U_DAC_LTC20006 C32_U_DAC_LTC20006 C33_U_DAC_LTC20006 C34_U_DAC_LTC20006 C35_U_DAC_LTC20006 C36_U_DAC_LTC20006 C37_U_DAC_LTC20006 C38_U_DAC_LTC20006 C39_U_DAC_LTC20006 C40_U_DAC_LTC20006 C41_U_DAC_LTC20006 C42_U_DAC_LTC20006 C43_U_DAC_LTC20006 C44_U_DAC_LTC20006 C45_U_DAC_LTC20006 C46_U_DAC_LTC20006 C47_U_DAC_LTC20006 C48_U_DAC_LTC20006 R4_U_DAC_LTC20006 R5_U_DAC_LTC20006 R6_U_DAC_LTC20006 R7_U_DAC_LTC20006 R8_U_DAC_LTC20006 R9_U_DAC_LTC20006 R11_U_DAC_LTC20006 R12_U_DAC_LTC20006 R13_U_DAC_LTC20006 R14_U_DAC_LTC20006 R15_U_DAC_LTC20006 R16_U_DAC_LTC20006 R17_U_DAC_LTC20006 R18_U_DAC_LTC20006 R19_U_DAC_LTC20006 R20_U_DAC_LTC20006 R23_U_DAC_LTC20006 R143_U_DAC_LTC20006 R144_U_DAC_LTC20006 R145_U_DAC_LTC20006
component class U_DAC_LTC20005: C26_U_DAC_LTC20005 C28_U_DAC_LTC20005 C29_U_DAC_LTC20005 C30_U_DAC_LTC20005 C31_U_DAC_LTC20005 C32_U_DAC_LTC20005 C33_U_DAC_LTC20005 C34_U_DAC_LTC20005 C35_U_DAC_LTC20005 C36_U_DAC_LTC20005 C37_U_DAC_LTC20005 C38_U_DAC_LTC20005 C39_U_DAC_LTC20005 C40_U_DAC_LTC20005 C41_U_DAC_LTC20005 C42_U_DAC_LTC20005 C43_U_DAC_LTC20005 C44_U_DAC_LTC20005 C45_U_DAC_LTC20005 C46_U_DAC_LTC20005 C47_U_DAC_LTC20005 C48_U_DAC_LTC20005 R4_U_DAC_LTC20005 R5_U_DAC_LTC20005 R6_U_DAC_LTC20005 R7_U_DAC_LTC20005 R8_U_DAC_LTC20005 R9_U_DAC_LTC20005 R11_U_DAC_LTC20005 R12_U_DAC_LTC20005 R13_U_DAC_LTC20005 R14_U_DAC_LTC20005 R15_U_DAC_LTC20005 R16_U_DAC_LTC20005 R17_U_DAC_LTC20005 R18_U_DAC_LTC20005 R19_U_DAC_LTC20005 R20_U_DAC_LTC20005 R23_U_DAC_LTC20005 R143_U_DAC_LTC20005 R144_U_DAC_LTC20005 R145_U_DAC_LTC20005
component class U_DAC_LTC20004: C26_U_DAC_LTC20004 C28_U_DAC_LTC20004 C29_U_DAC_LTC20004 C30_U_DAC_LTC20004 C31_U_DAC_LTC20004 C32_U_DAC_LTC20004 C33_U_DAC_LTC20004 C34_U_DAC_LTC20004 C35_U_DAC_LTC20004 C36_U_DAC_LTC20004 C37_U_DAC_LTC20004 C38_U_DAC_LTC20004 C39_U_DAC_LTC20004 C40_U_DAC_LTC20004 C41_U_DAC_LTC20004 C42_U_DAC_LTC20004 C43_U_DAC_LTC20004 C44_U_DAC_LTC20004 C45_U_DAC_LTC20004 C46_U_DAC_LTC20004 C47_U_DAC_LTC20004 C48_U_DAC_LTC20004 R4_U_DAC_LTC20004 R5_U_DAC_LTC20004 R6_U_DAC_LTC20004 R7_U_DAC_LTC20004 R8_U_DAC_LTC20004 R9_U_DAC_LTC20004 R11_U_DAC_LTC20004 R12_U_DAC_LTC20004 R13_U_DAC_LTC20004 R14_U_DAC_LTC20004 R15_U_DAC_LTC20004 R16_U_DAC_LTC20004 R17_U_DAC_LTC20004 R18_U_DAC_LTC20004 R19_U_DAC_LTC20004 R20_U_DAC_LTC20004 R23_U_DAC_LTC20004 R143_U_DAC_LTC20004 R144_U_DAC_LTC20004 R145_U_DAC_LTC20004
component class U_DAC_LTC20003: C26_U_DAC_LTC20003 C28_U_DAC_LTC20003 C29_U_DAC_LTC20003 C30_U_DAC_LTC20003 C31_U_DAC_LTC20003 C32_U_DAC_LTC20003 C33_U_DAC_LTC20003 C34_U_DAC_LTC20003 C35_U_DAC_LTC20003 C36_U_DAC_LTC20003 C37_U_DAC_LTC20003 C38_U_DAC_LTC20003 C39_U_DAC_LTC20003 C40_U_DAC_LTC20003 C41_U_DAC_LTC20003 C42_U_DAC_LTC20003 C43_U_DAC_LTC20003 C44_U_DAC_LTC20003 C45_U_DAC_LTC20003 C46_U_DAC_LTC20003 C47_U_DAC_LTC20003 C48_U_DAC_LTC20003 R4_U_DAC_LTC20003 R5_U_DAC_LTC20003 R6_U_DAC_LTC20003 R7_U_DAC_LTC20003 R8_U_DAC_LTC20003 R9_U_DAC_LTC20003 R11_U_DAC_LTC20003 R12_U_DAC_LTC20003 R13_U_DAC_LTC20003 R14_U_DAC_LTC20003 R15_U_DAC_LTC20003 R16_U_DAC_LTC20003 R17_U_DAC_LTC20003 R18_U_DAC_LTC20003 R19_U_DAC_LTC20003 R20_U_DAC_LTC20003 R23_U_DAC_LTC20003 R143_U_DAC_LTC20003 R144_U_DAC_LTC20003 R145_U_DAC_LTC20003
component class U_DAC_LTC20002: C26_U_DAC_LTC20002 C28_U_DAC_LTC20002 C29_U_DAC_LTC20002 C30_U_DAC_LTC20002 C31_U_DAC_LTC20002 C32_U_DAC_LTC20002 C33_U_DAC_LTC20002 C34_U_DAC_LTC20002 C35_U_DAC_LTC20002 C36_U_DAC_LTC20002 C37_U_DAC_LTC20002 C38_U_DAC_LTC20002 C39_U_DAC_LTC20002 C40_U_DAC_LTC20002 C41_U_DAC_LTC20002 C42_U_DAC_LTC20002 C43_U_DAC_LTC20002 C44_U_DAC_LTC20002 C45_U_DAC_LTC20002 C46_U_DAC_LTC20002 C47_U_DAC_LTC20002 C48_U_DAC_LTC20002 R4_U_DAC_LTC20002 R5_U_DAC_LTC20002 R6_U_DAC_LTC20002 R7_U_DAC_LTC20002 R8_U_DAC_LTC20002 R9_U_DAC_LTC20002 R11_U_DAC_LTC20002 R12_U_DAC_LTC20002 R13_U_DAC_LTC20002 R14_U_DAC_LTC20002 R15_U_DAC_LTC20002 R16_U_DAC_LTC20002 R17_U_DAC_LTC20002 R18_U_DAC_LTC20002 R19_U_DAC_LTC20002 R20_U_DAC_LTC20002 R23_U_DAC_LTC20002 R143_U_DAC_LTC20002 R144_U_DAC_LTC20002 R145_U_DAC_LTC20002
component class U_DAC_LTC20001: C26_U_DAC_LTC20001 C28_U_DAC_LTC20001 C29_U_DAC_LTC20001 C30_U_DAC_LTC20001 C31_U_DAC_LTC20001 C32_U_DAC_LTC20001 C33_U_DAC_LTC20001 C34_U_DAC_LTC20001 C35_U_DAC_LTC20001 C36_U_DAC_LTC20001 C37_U_DAC_LTC20001 C38_U_DAC_LTC20001 C39_U_DAC_LTC20001 C40_U_DAC_LTC20001 C41_U_DAC_LTC20001 C42_U_DAC_LTC20001 C43_U_DAC_LTC20001 C44_U_DAC_LTC20001 C45_U_DAC_LTC20001 C46_U_DAC_LTC20001 C47_U_DAC_LTC20001 C48_U_DAC_LTC20001 R4_U_DAC_LTC20001 R5_U_DAC_LTC20001 R6_U_DAC_LTC20001 R7_U_DAC_LTC20001 R8_U_DAC_LTC20001 R9_U_DAC_LTC20001 R11_U_DAC_LTC20001 R12_U_DAC_LTC20001 R13_U_DAC_LTC20001 R14_U_DAC_LTC20001 R15_U_DAC_LTC20001 R16_U_DAC_LTC20001 R17_U_DAC_LTC20001 R18_U_DAC_LTC20001 R19_U_DAC_LTC20001 R20_U_DAC_LTC20001 R23_U_DAC_LTC20001 R143_U_DAC_LTC20001 R144_U_DAC_LTC20001 R145_U_DAC_LTC20001
component class Thermometers: C26 C84 C85 C86 C87 C683 C684 IC8 IC34 IC35 IC36 IC37 IC39 R255 R256
component class Shuttler_AMC: C277 C707 IC14 IC53 PB2 PB3 R1 R2 R21 R341 R539 R540
component class SDRAM_DDR3_4x16: C39 C40 C41 C42 C43 C44 C45 C46 C47 C48 C49 C50 C51 C52 C53 C54 C55 C56 C57 C58 C59 C60 C61 C62 C63 C64 C65 C66 C67 C68 C69 C70 C71 C72 C73 C74 C75 C76 C77 C78 C79 C80 C81 C82 C83 C96 C97 C98 C99 C100 C101 C102 C103 C104 C105 C106 C107 C108 C109 C110 C111 C112 C113 C114 C115 C116 C117 C118 C119 C309 C310 C311 C312 C313 C314 C315 C316 C317 C319 C320 C321 C322 C495 C496 IC18 R70 R71 R72 R73 R74 R75 R76 R77 R78 R79 R80 R81 R82 R83 R84 R85 R86 R87 R88 R89 R90 R91 R92 R93 R94 R95 R96 R97 R98 R99 R100 R101 R102 R265
component class QSFP2: C564_QSFP2 C565_QSFP2 C566_QSFP2 C567_QSFP2 C568_QSFP2 C569_QSFP2 C570_QSFP2 C571_QSFP2 C572_QSFP2 C573_QSFP2 C574_QSFP2 C575_QSFP2 IC55_QSFP2 J29_QSFP2 L51_QSFP2 L52_QSFP2 L53_QSFP2 LD3_QSFP2 LD6_QSFP2 R213_QSFP2 R221_QSFP2 R228_QSFP2 R266_QSFP2 R267_QSFP2 R268_QSFP2 R269_QSFP2 TP20_QSFP2 TP21_QSFP2
component class QSFP1: C564_QSFP1 C565_QSFP1 C566_QSFP1 C567_QSFP1 C568_QSFP1 C569_QSFP1 C570_QSFP1 C571_QSFP1 C572_QSFP1 C573_QSFP1 C574_QSFP1 C575_QSFP1 IC55_QSFP1 J29_QSFP1 LD3_QSFP1 LD6_QSFP1 R213_QSFP1 R221_QSFP1 R228_QSFP1 R266_QSFP1 R267_QSFP1 R268_QSFP1 R269_QSFP1 TP20_QSFP1 TP21_QSFP1
component class PWR_P3V0_N3V0: C481 C482 C483 C484 C485 C490 C491 C497 C498 C513 C537 C538 C542 C554 C555 C556 IC72 IC73 IC78 IC79 L47 L48 L49 L50 LD5 LD17 R362 R399 R400 R401 R402 R405 R406 R407 R408 TP29 TP30 TP31
component class PWR_DC_DC_EXAR: C294 C295 C405 C406 C407 C408 C409 C410 C411 C412 C415 C416 C417 C418 C419 C420 C421 C422 C423 C424 C425 C426 C478 C499 C500 C501 C502 C514 C515 C516 C517 C518 C519 C520 C521 C522 C523 C524 C525 C526 C527 C528 C529 C530 C531 C532 C533 C534 C535 C536 D27 IC29 IC30 IC31 IC48 L18 L19 L20 L21 L22 L23 L24 L28 L31 L39 L40 L41 L42 L43 L44 L45 LD1 LD2 LD7 LD8 LD9 LD10 LD22 R212 R214 R215 R216 R222 R223 R224 R225 R226 R227 R229 R230 R231 R232 R235 R236 R237 R238 R239 R240 R307 R308 R309 R315 R316 R355 R356 R357 R358 R361 R403 R547 T8 T9 T10 T11 T12 T18 TP10 TP11 TP12 TP13 TP14 TP15 TP16 TP17 TP18 TP19 W1
component class PWR_Buck_P2V5_8A: C433 C434 C435 C436 C437 C438 C439 C480 C492 IC51 L46 R386 R387 R388 R389 R390 R391 R392 R393 R394 R395 R396 R397 R398